# Altium PCB CM3_IO_V1.3_20220317.PcbDoc (part 1 of 7) (continued)
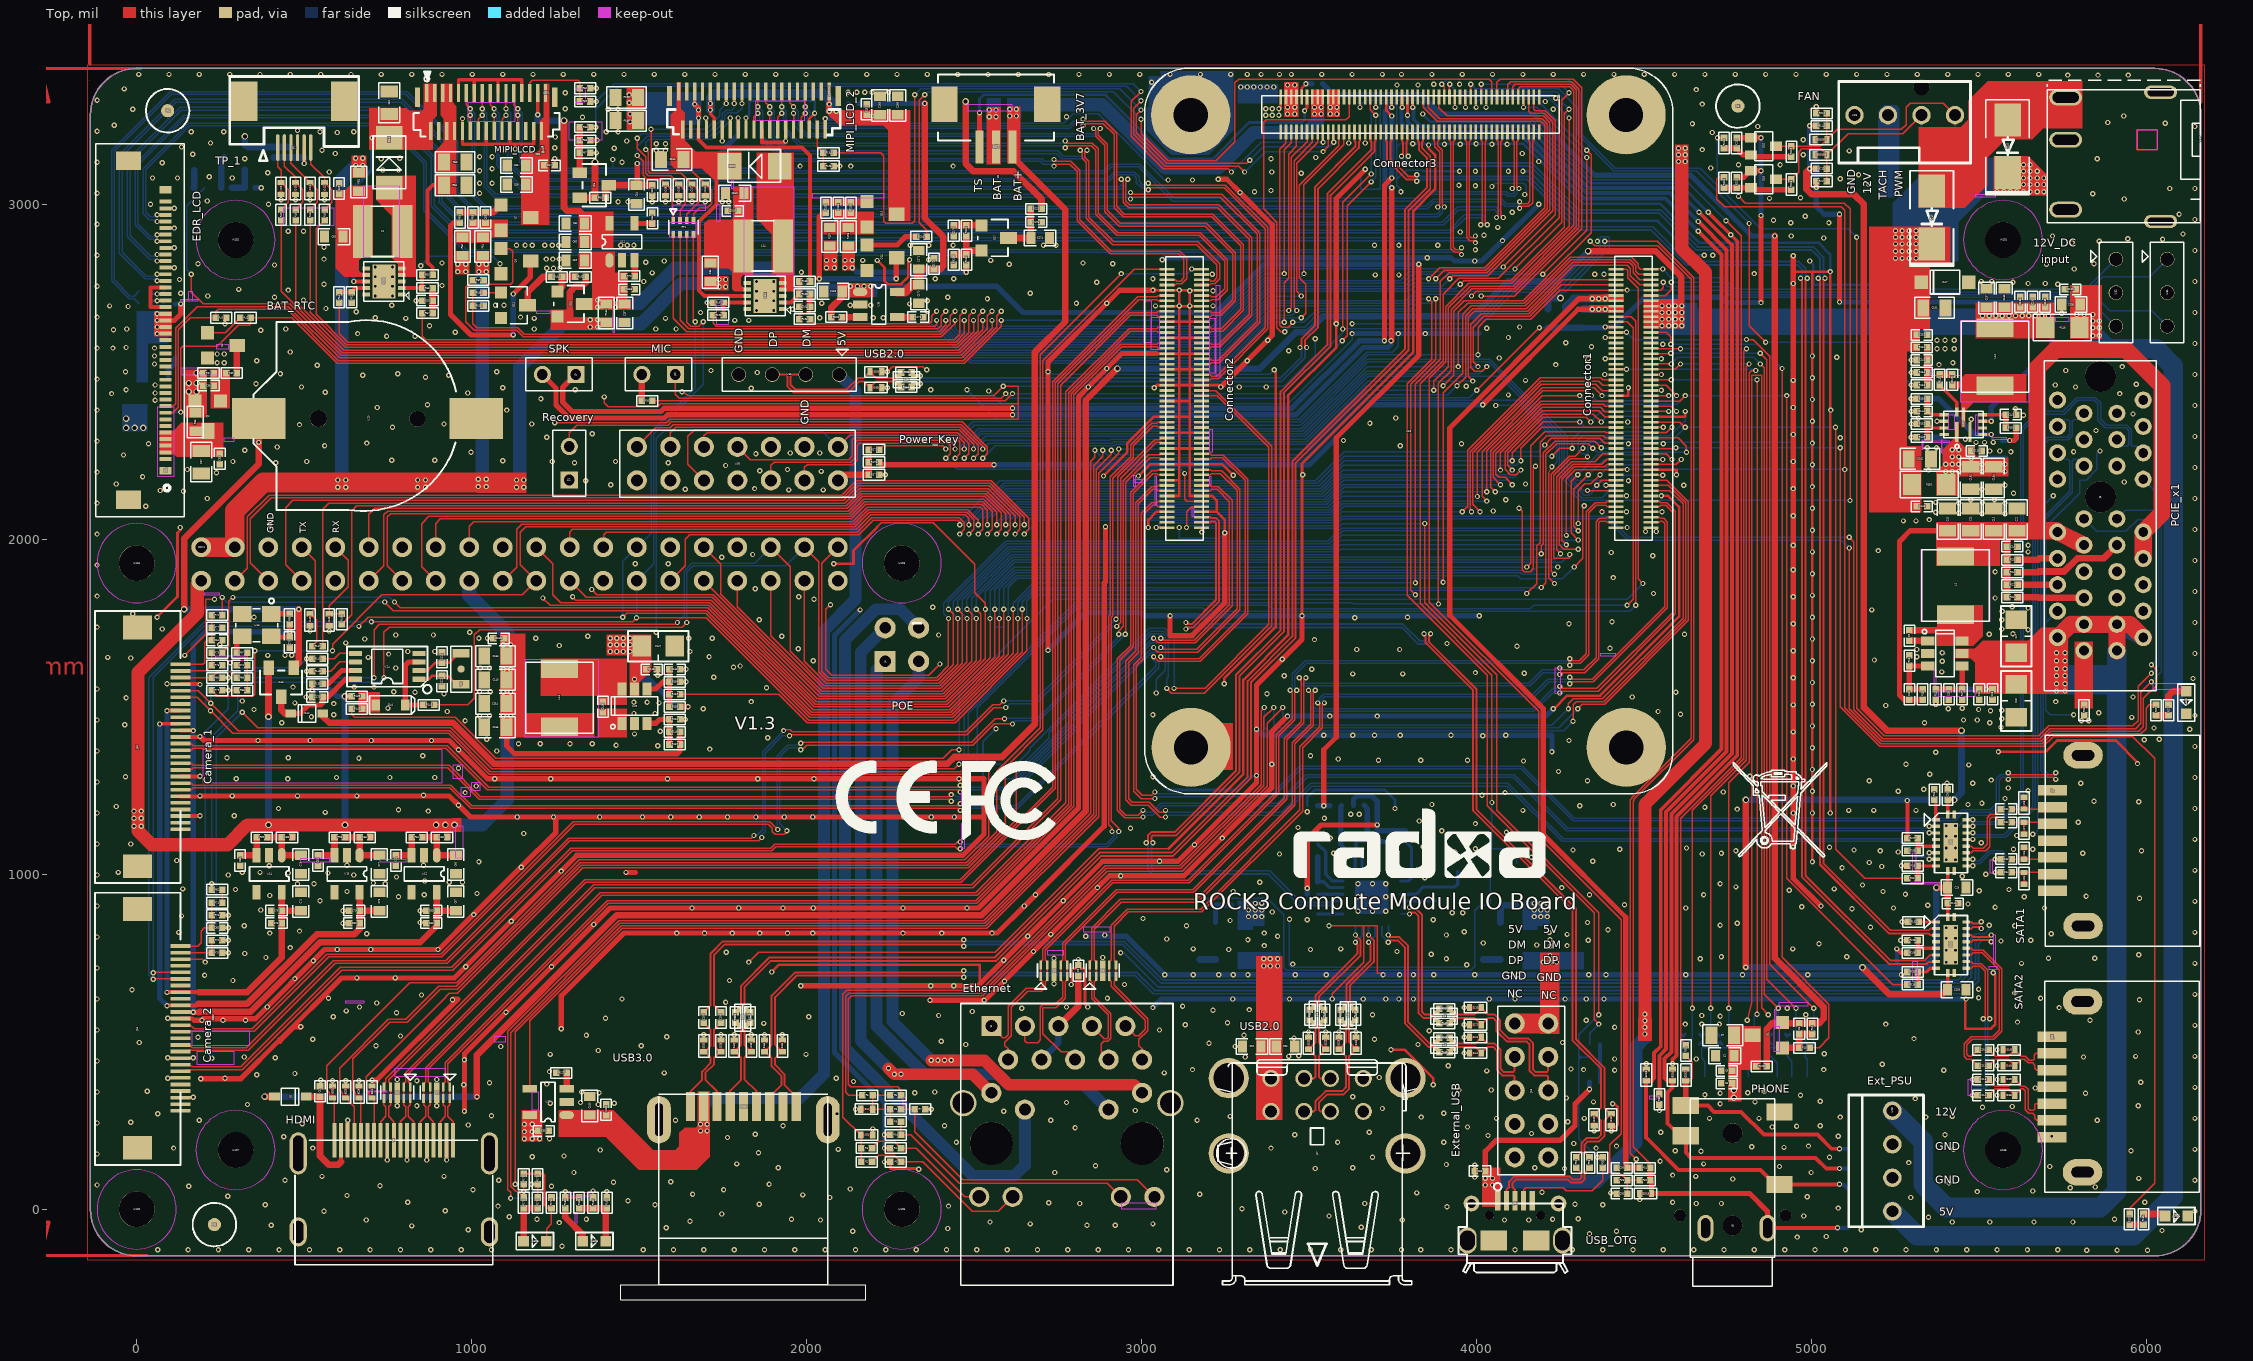
[diagram p0: Top view]
## Components (designator, comment, footprint, x,y, rotation, side; value= is the part's Value field where it differs from the comment)
BAT1 "SMD-3P-1.25" SMD-3P-1.25 2564.96,3171.26 r180 top
C1 "C0402" C0402 547.24,352.36 r90 top
C3 "C0402" C0402 2811.02,712.6 r270 top
C4 "C0603" C0603 4740.16,458.66 r180 top
C5 "C0402" C0402 4746.06,375.98 r180 top
C6 "C0402" C0402 4962.6,539.37 r270 top
C7 "C0805" C0805 4734.25,519.68 r180 top
C8 "C0402" C0402 4746.06,413.39 r180 top
C9 "C0402" C0402 5291.34,1712.6 r90 top
C10 "C1206" C1206 5610.24,1517.72 r270 top
C11 "C0402" C0402 5500,1537.4 r270 top
C12 "C0402" C0402 5291.34,1537.4 r90 top
C13 "C0805" C0805 5543.31,2059.06 r90 top
C14 "C0402" C0402 5598.43,1978.35 r0 top
C19 "C0402" C0402 5409.45,1537.4 r270 top
C20 "C0805" C0805 5405.51,2059.06 r90 top
C21 "C0805" C0805 5474.41,2059.06 r90 top
C22 "C0805" C0805 5612.2,2059.06 r90 top
C27 "C1206" C1206 5610.24,1710.63 r90 top
C28 "C0402" C0402 5539.37,1537.4 r270 top
C29 "C0603" C0603 5433.07,960.63 r0 top
C30 "C0402" C0402 5405.51,1238.19 r90 top
C31 "C0402" C0402 5580.71,1194.88 r0 top
C32 "C0402" C0402 5580.71,1155.51 r0 top
C33 "C0402" C0402 5580.71,1045.28 r0 top
C34 "C0402" C0402 5580.71,1005.91 r0 top
C35 "C0402" C0402 4433.07,47.24 r180 top
C36 "C0402" C0402 4433.07,124.02 r180 top
C37 "C0805" C0805 192.91,2230.31 r270 top
C38 "C0402" C0402 214.57,2458.66 r0 top
C39 "C0402" C0402 248.03,2240.16 r270 top
C40 "C0603" C0603 -11.81,2602.36 r180 bottom
C41 "C0603" C0603 -11.81,2655.51 r180 bottom
C42 "C0402" C0402 98.43,2665.35 r0 bottom
C43 "C0402" C0402 23.62,2742.13 r0 bottom
C44 "C0402" C0402 23.62,2702.76 r180 bottom
C45 "C0402" C0402 -31.5,2407.48 r90 bottom
C46 "C0603" C0603 -11.81,2547.24 r180 bottom
C47 "C0402" C0402 98.43,2625.98 r0 bottom
C48 "C0402" C0402 500,3155.51 r90 bottom
C49 "C0402" C0402 604.33,3047.24 r90 top
C50 "C0603" C0603 588.58,2903.54 r180 top
C51 "C0805" C0805 753.94,3303.15 r90 top
C52 "C0402" C0402 1539.37,3041.34 r270 top
C53 "C0402" C0402 868.11,2712.6 r0 top
C54 "C0603" C0603 1492.13,3029.53 r270 top
C55 "C0402" C0402 1041.34,2960.63 r90 top
C56 "C0603" C0603 1133.86,3116.14 r180 top
C57 "C0402" C0402 1232.28,3116.14 r0 top
C58 "C0603" C0603 1133.86,3059.06 r180 top
C59 "C0603" C0603 1309.06,2832.68 r180 top
C60 "C0603" C0603 1309.06,2887.8 r180 top
C61 "C0603" C0603 1309.06,2942.91 r180 top
C62 "C0402" C0402 1196.85,3234.25 r270 bottom
C63 "C0402" C0402 1539.37,2958.66 r90 top
C64 "C0402" C0402 240.16,1698.82 r0 top
C65 "C0402" C0402 240.16,840.55 r0 top
C66 "C0603" C0603 952.76,1029.53 r270 top
C67 "C0603" C0603 952.76,919.29 r90 top
C68 "C0402" C0402 879.92,854.33 r180 top
C69 "C0402" C0402 879.92,891.73 r180 top
C70 "C0402" C0402 456.69,1692.91 r270 top
C71 "C0402" C0402 773.62,1041.34 r270 top
C72 "C0402" C0402 314.96,1624.02 r180 top
C73 "C0603" C0603 490.16,1029.53 r270 top
C74 "C0603" C0603 490.16,919.29 r90 top
C75 "C0402" C0402 417.32,854.33 r180 top
C76 "C0402" C0402 417.32,891.73 r180 top
C77 "C0603" C0603 724.41,1029.53 r270 top
C78 "C0603" C0603 724.41,919.29 r90 top
C79 "C0402" C0402 649.61,891.73 r180 top
C80 "C0402" C0402 649.61,854.33 r180 top
C81 "C0402" C0402 309.06,1041.34 r270 top
C82 "C0402" C0402 541.34,1041.34 r270 top
C83 "C0603" C0603 3639.76,1129.92 r270 bottom
C84 "C0402" C0402 3578.74,1165.35 r180 bottom
C85 "C0402" C0402 3509.84,1204.72 r180 bottom
C86 "C0402" C0402 4009.84,114.17 r180 top
C87 "C0402" C0402 3578.74,1090.55 r180 bottom
C88 "C0402" C0402 3578.74,1127.95 r180 bottom
C89 "C0402" C0402 3509.84,1015.75 r180 bottom
C91 "C0402" C0402 3348.43,840.55 r270 bottom
C92 "C0603" C0603 3328.74,486.22 r180 top
C93 "C0603" C0603 3429.13,486.22 r0 top
C94 "C0402" C0402 3348.43,771.65 r90 bottom
C95 "C0402" C0402 4198.82,840.55 r270 bottom
C96 "C0603" C0603 4299.21,781.5 r90 bottom
C97 "C0603" C0603 4244.09,781.5 r90 bottom
C98 "C0402" C0402 4198.82,771.65 r90 bottom
C99 "C0402" C0402 1214.57,234.25 r0 top
C100 "C0603" C0603 1352.36,309.06 r90 top
C101 "C0402" C0402 1401.57,297.24 r90 top
C106 "C0402" C0402 1744.09,572.83 r270 top
C107 "C0402" C0402 1692.91,572.83 r270 top
C109 "C0603" C0603 5433.07,655.51 r0 top
C110 "C0402" C0402 5511.81,476.38 r0 top
C111 "C0402" C0402 5421.26,913.39 r0 top
C112 "C0402" C0402 5511.81,429.13 r0 top
C113 "C0402" C0402 5511.81,387.8 r0 top
C114 "C0402" C0402 5511.81,340.55 r0 top
C123 "C0402" C0402 911.42,1576.77 r270 top
C124 "C0402" C0402 911.42,1647.64 r90 top
C125 "C0402" C0402 539.37,1529.53 r180 top
C126 "C0402" C0402 5192.91,3039.37 r180 bottom
C127 "C0603" C0603 5198.82,3088.58 r180 bottom
C129 "C0402" C0402 5419.29,2476.38 r270 top
C130 "C0603" C0603 5773.62,2700.79 r180 top
C131 "C0402" C0402 5771.65,2746.06 r180 top
C132 "C0805" C0805 5474.41,2183.07 r270 top
C133 "C0402" C0402 5492.13,2263.78 r0 top
C134 "C0805" C0805 5543.31,2183.07 r270 top
C135 "C0402" C0402 5659.45,2708.66 r90 top
C136 "C0603" C0603 5574.8,2720.47 r90 top
C137 "C0603" C0603 5521.65,2720.47 r90 top
C138 "C0402" C0402 5622.05,2708.66 r90 top
C139 "C0402" C0402 5696.85,2708.66 r90 top
C140 "C0402" C0402 5328.74,2098.43 r0 top
C141 "C0402" C0402 5328.74,2535.43 r180 top
C142 "C0805" C0805 5322.83,2240.16 r0 top
C143 "C0402" C0402 5594.49,2372.05 r0 top
C144 "C0402" C0402 5328.74,2381.89 r180 top
C145 "C0402" C0402 1391.73,1500 r90 top
C146 "C0402" C0402 1537.4,1612.2 r0 top
C147 "C1206" C1206 1557.09,1681.1 r0 top
C148 "C0402" C0402 1606.3,1425.2 r180 top
C149 "C0805" C0805 1070.87,1580.71 r180 top
C150 "C0402" C0402 1080.71,1704.72 r180 top
C151 "C0805" C0805 5366.14,2690.94 r180 top
C152 "C0402" C0402 5328.74,2610.24 r0 top
C153 "C0402" C0402 1606.3,1612.2 r0 top
C154 "C0805" C0805 1070.87,1509.84 r180 top
C155 "C0805" C0805 1070.87,1438.98 r180 top
C156 "C0805" C0805 1070.87,1651.57 r180 top
C157 "C0603" C0603 1456.69,2675.2 r270 top
C158 "C0402" C0402 1470.47,2746.06 r0 top
C159 "C0402" C0402 1779.53,2980.31 r180 top
C160 "C0603" C0603 1785.43,3033.46 r180 top
C161 "C0805" C0805 1598.43,3133.86 r180 top
C164 "C0402" C0402 1994.09,2694.88 r0 top
C165 "C0402" C0402 2094.49,2990.16 r90 top
C166 "C0603" C0603 2271.65,3295.28 r90 top
C167 "C0402" C0402 2179.13,3283.46 r90 top
C168 "C0603" C0603 2218.5,3295.28 r90 top
C169 "C0603" C0603 2078.74,2740.16 r180 top
C170 "C0603" C0603 2334.65,2732.28 r270 top
C171 "C0603" C0603 2334.65,2834.65 r90 top
C172 "C0402" C0402 2379.92,2822.83 r90 top
C173 "C0402" C0402 2332.68,2663.39 r0 top
C174 "C0603" C0603 2696.85,2899.61 r0 top
C175 "C0402" C0402 2685.04,2946.85 r0 top
C176 "C0402" C0402 2438.98,2921.26 r270 top
CN14A1 "TF-CKT01-009D" TF-CKT01-009D 4763.78,-18.11 r270 bottom
CON1 "DIP40PIN_2D54MM" DIP40PIN_2D54MM 192.91,1976.38 r0 top
D1 "SOD_323" SOD_323 458.66,336.61 r0 top
D3 "ESD0402_1XD5" ESD0402_1XD5 2179.13,222.44 r180 top
D4 "ESD0402_1XD5" ESD0402_1XD5 2179.13,299.21 r0 top
D5 "ESD0402_1XD5" ESD0402_1XD5 5633.86,988.19 r90 top
D6 "ESD0402_1XD5" ESD0402_1XD5 5633.86,1062.99 r270 top
D7 "ESD0402_1XD5" ESD0402_1XD5 5633.86,1137.8 r90 top
D8 "ESD0402_1XD5" ESD0402_1XD5 5633.86,1212.6 r270 top
D9 "ESD0402_1XD5" ESD0402_1XD5 431.1,3047.24 r90 top
D10 "ESD0402_1XD5" ESD0402_1XD5 474.41,3047.24 r90 top
D11 "ESD0402_1XD5" ESD0402_1XD5 517.72,3047.24 r90 top
D12 "ESD0402_1XD5" ESD0402_1XD5 561.02,3047.24 r90 top
D13 "DO214AC" DO214AC 753.94,3190.94 r270 top
D14 "ESD0402_1XD5" ESD0402_1XD5 1696.85,3043.31 r270 top
D15 "ESD0402_1XD5" ESD0402_1XD5 1618.11,3043.31 r270 top
D16 "ESD0402_1XD5" ESD0402_1XD5 1578.74,3043.31 r270 top
D17 "ESD0402_1XD5" ESD0402_1XD5 1657.48,3043.31 r270 top
D18 "ESD0402_1XD5" ESD0402_1XD5 4401.57,267.72 r90 top
D19 "ESD0402_1XD5" ESD0402_1XD5 4350.39,267.72 r90 top
D20 "ESD0402_1XD5" ESD0402_1XD5 3498.03,496.06 r270 top
D21 "ESD0402_1XD5" ESD0402_1XD5 3549.21,496.06 r270 top
D22 "ESD0402_1XD5" ESD0402_1XD5 3639.76,496.06 r270 top
D23 "ESD0402_1XD5" ESD0402_1XD5 3588.58,496.06 r270 top
D24 "ESD0402_1XD5" ESD0402_1XD5 3996.06,466.54 r0 top
D25 "ESD0402_1XD5" ESD0402_1XD5 3996.06,513.78 r0 top
D26 "ESD0402_1XD5" ESD0402_1XD5 3996.06,602.36 r0 top
D27 "ESD0402_1XD5" ESD0402_1XD5 3996.06,551.18 r0 top
D30 "ESD0402_1XD5" ESD0402_1XD5 2206.69,2452.76 r180 top
D31 "ESD0402_1XD5" ESD0402_1XD5 2206.69,2500 r180 top
D32 "ESD0402_1XD5" ESD0402_1XD5 1692.91,488.19 r270 top
D33 "ESD0402_1XD5" ESD0402_1XD5 1744.09,488.19 r270 top
D34 "ESD0402_1XD5" ESD0402_1XD5 1874.02,488.19 r270 top
D35 "ESD0402_1XD5" ESD0402_1XD5 1927.17,488.19 r270 top
D36 "ESD0402_1XD5" ESD0402_1XD5 1834.65,488.19 r270 top
D37 "ESD0402_1XD5" ESD0402_1XD5 1783.46,488.19 r270 top
D38 "ESD0402_1XD5" ESD0402_1XD5 5588.58,340.55 r0 top
D39 "ESD0402_1XD5" ESD0402_1XD5 5588.58,387.8 r0 top
D40 "ESD0402_1XD5" ESD0402_1XD5 5588.58,429.13 r0 top
D41 "ESD0402_1XD5" ESD0402_1XD5 5588.58,476.38 r0 top
D42 "SOD_323" SOD_323 507.87,1480.31 r180 top
D43 "SOT_23" SOT_23 431.1,1572.83 r180 top
D44 "SOD323" SOD323 757.87,1505.91 r0 top
D45 "DO_214AC" DO_214AC 5584.65,3173.23 r270 top
D46 "DO_214AC" DO_214AC 5358.27,2960.63 r270 top
D47 "SOD_123" SOD_123 5397.64,2767.72 r180 top
D48 "ESD0402_1XD5" ESD0402_1XD5 574.8,1759.84 r90 top
D49 "ESD0402_1XD5" ESD0402_1XD5 517.72,1759.84 r90 top
D50 "DO214AC" DO214AC 1777.56,3114.17 r0 top
ED1 "ESD0402_1XD5" ESD0402_1XD5 584.65,350.39 r90 top
ED2 "ESD0402_1XD5" ESD0402_1XD5 624.02,350.39 r90 top
ED3 "ESD0402_1XD5" ESD0402_1XD5 663.39,350.39 r90 top
ED4 "ESD0402_1XD5" ESD0402_1XD5 702.76,350.39 r90 top
ED9 "E0402N" E0402N 4980.31,507.87 r90 bottom
ED10 "E0402N" E0402N 4927.17,507.87 r90 bottom
ED11 "E0402N" E0402N 4874.02,507.87 r90 bottom
ED12 "E0402N" E0402N 4781.5,507.87 r90 bottom
ED13 "E0402N" E0402N 4726.38,507.87 r90 bottom
ED14 "E0402N" E0402N 4671.26,507.87 r90 bottom
ED15 "E0402N" E0402N 4616.14,507.87 r90 bottom
ED16 "ESD0402_1XD5" ESD0402_1XD5 4584.65,401.57 r90 top
ED17 "ESD0402_1XD5" ESD0402_1XD5 4624.02,401.57 r90 top
ED18 "ESD0402_1XD5" ESD0402_1XD5 4505.91,401.57 r90 top
ED19 "ESD0402_1XD5" ESD0402_1XD5 4503.94,47.24 r180 top
ED8197 "ESD0402_1XD5" ESD0402_1XD5 5027.56,3192.91 r0 top
ED8198 "ESD0402_1XD5" ESD0402_1XD5 5027.56,3147.64 r0 top
FB1 "R0603" R0603 663.39,3066.93 r270 top
FB2 "R0402" R0402 911.42,1110.24 r180 top
FB3 "R0402" R0402 448.82,1110.24 r180 top
FB4 "R0402" R0402 681.1,1110.24 r180 top
FB5 "R0603" R0603 1712.6,2797.24 r90 top
H100 "HOLE_R6_2D7MM" HOLE_R6_2D7MM 0,0 r0 top
H101 "HOLE_R6_2D7MM" HOLE_R6_2D7MM 5570.87,2893.7 r0 top
H102 "HOLE_R6_2D7MM" HOLE_R6_2D7MM 295.28,2893.7 r0 top
H103 "HOLE_R6_2D7MM" HOLE_R6_2D7MM 2283.46,1929.13 r0 top
H104 "HOLE_R6_2D7MM" HOLE_R6_2D7MM 0,1929.13 r0 top
H105 "HOLE_R6_2D7MM" HOLE_R6_2D7MM 5570.87,177.17 r0 top
H106 "HOLE_R6_2D7MM" HOLE_R6_2D7MM 2283.46,0 r0 top
H107 "HOLE_R6_2D7MM" HOLE_R6_2D7MM 295.28,177.17 r0 top
J1 "HDMIA19S" HDMIA19S 767.72,206.69 r180 top
J3 "RJ45_HRK1" RJ45_HRK1 2551.18,547.24 r0 top
J4 "DIP4PIN-2_54MM-2X2" DIP4PIN-2_54MM-2X2 2234.25,1635.83 r90 top
J6 "PCIEX1_36PIN_DIP" PCIEX1_36PIN_DIP 5861.42,2126.38 r90 top
J7 "SMD_SATA_7P_50_180" SMD_SATA_7P_50_180 5719.29,1250.79 r270 top
J8 "PJ-327A" PJ-327A 4763.78,-48.03 r90 top
J9 "DIP2PIN-2P54MM" DIP2PIN-2P54MM 1311.02,2492.13 r270 top
J10 "DIP2PIN-2P54MM" DIP2PIN-2P54MM 1608.27,2492.13 r270 top
J11 "20455-040E-TOP" 20455-040E-TOP 86.61,2204.72 r270 top
J12 "FPC6-0.5MM-2660H" FPC6-0.5MM-2660H 470.47,3169.29 r180 top
J14 "FPC-26P-0D5MM" FPC-26P-0D5MM 1.97,1379.92 r270 top
J15 "FPC-26P-0D5MM" FPC-26P-0D5MM 1.97,539.37 r270 top
J16 "MICRO_USB_NJ2" MICRO_USB_NJ2 4114.17,17.72 r0 top
J17 "USB-AF-DUAL" USB-AF-DUAL 3523.62,167.32 r90 top
J18 "DIP_10PIN-2_54MM" DIP_10PIN-2_54MM 4163.39,354.33 r270 top
J20 "SMD_SATA_7P_50_180" SMD_SATA_7P_50_180 5717.72,515.75 r270 top
J22 "DIP2PIN-2P54MM" DIP2PIN-2P54MM 1291.34,2177.17 r180 top
J24 "DF40C_100DS" DF40C_100DS 4245.47,3323.62 r270 top
L1 "IND-5020" IND-5020 5429.13,1862.2 r90 top
L2 "IND-4X4" IND-4X4 734.25,2919.29 r0 top
L3 "R0402" R0402 3647.64,1206.69 r180 bottom
L4 "L0402" L0402 3578.74,1204.72 r0 bottom
L5 "RP2_0405" RP2_0405 3523.62,580.71 r90 top
L6 "RP2_0405" RP2_0405 3616.14,578.74 r90 top
L7 "RP2_0405" RP2_0405 3903.54,490.16 r180 top
L8 "RP2_0405" RP2_0405 3903.54,576.77 r180 top
L10 "RP2_0405" RP2_0405 2297.24,2476.38 r0 top
L11 "RP2_0405" RP2_0405 1809.06,572.83 r270 top
L12 "IND-5020" IND-5020 5547.24,2545.28 r90 top
L13 "IND-5020" IND-5020 1261.81,1527.56 r270 top
L14 "IND-4X4" IND-4X4 1870.08,2875.98 r0 top
LCD1 "FH35C_31P_0_6SHW" FH35C_31P_0_6SHW 1220.47,3332.68 r180 top
LED1 "LED0603" LED0603 6117.72,1512.99 r270 top
LED2 "LED0603" LED0603 6088.58,-19.69 r0 top
LED3 "LED0603" LED0603 1188.98,-94.49 r0 top
LED4 "LED0603" LED0603 1366.14,-94.49 r0 top
M1 "MARK-1" MARK-1 4779.53,3291.34 r180 bottom
M2 "MARK-1" MARK-1 232.28,-45.28 r180 bottom
M3 "MARK-1" MARK-1 232.28,-45.28 r0 top
M4 "MARK-1" MARK-1 92.52,3279.53 r0 top
M5 "MARK-1" MARK-1 4779.53,3293.31 r0 top
P1 "TP_0R70" TP_0R70 2618.11,3303.15 r180 bottom
P2 "TP_0R70" TP_0R70 2515.75,3301.18 r180 bottom
P3 "TP_0R70" TP_0R70 2564.96,3301.18 r180 bottom
P4 "TP_0R70" TP_0R70 5568.9,2295.28 r180 bottom
P5 "TP_0R70" TP_0R70 5338.58,2893.7 r180 bottom
P6 "TP_0R70" TP_0R70 5397.64,2580.71 r180 bottom
Q1 "SOT23" SOT23 4868.11,519.68 r90 top
Q2 "SOT23" SOT23 212.6,2368.11 r180 top
Q3 "SOT23" SOT23 255.91,2578.74 r270 top
Q4 "SOT_23" SOT_23 366.14,3139.76 r90 bottom
Q5 "SOT23" SOT23 216.54,3139.76 r90 bottom
Q6 "SOT_23" SOT_23 1366.14,3057.09 r270 top
Q7 "SOT23" SOT23 1131.89,2960.63 r270 top
Q8 "SOT23" SOT23 1131.89,2830.71 r270 top
Q9 "S0T-23" S0T-23 4080.71,994.09 r270 bottom
Q10 "S0T-23" S0T-23 1295.28,2702.76 r270 top
Q11 "S0T-23" S0T-23 1125.98,2698.82 r270 top
Q13 "SOT23" SOT23 2224.41,2970.47 r270 top
Q14 "SOT23" SOT23 2224.41,2840.55 r270 top
Q15 "SOT_323" SOT_323 4856.3,3173.23 r270 top
Q16 "SOT_323" SOT_323 4856.3,3074.8 r270 top
Q17 "S0T-23" S0T-23 2561.02,2899.61 r270 top
R1 "R0402" R0402 2265.75,141.73 r0 top
R2 "R0402" R0402 2179.13,141.73 r180 top
R3 "R0402" R0402 2179.13,183.07 r0 top
R4 "R0402" R0402 2265.75,183.07 r180 top
R5 "R0402" R0402 2265.75,340.55 r180 top
R6 "R0402" R0402 2181.1,340.55 r0 top
R7 "R0402" R0402 2338.58,299.21 r180 top
R8 "R0402" R0402 2265.75,299.21 r180 top
R9 "R0402" R0402 2265.75,261.81 r0 top
R10 "R0402" R0402 2265.75,222.44 r180 top
R11 "R0402" R0402 4828.74,498.03 r270 bottom
R12 "R0402" R0402 5001.97,539.37 r270 top
R13 "R0402" R0402 4978.35,482.28 r0 top
R14 "R0402" R0402 5370.08,1537.4 r90 top
R15 "R0402" R0402 5330.71,1537.4 r90 top
R17 "R0402" R0402 5448.82,1537.4 r270 top
R18 "R0402" R0402 5291.34,1637.8 r90 top
R20 "R0402" R0402 5812.99,1490.16 r270 top
R21 "R0402" R0402 5598.43,1826.77 r180 top
R22 "R0402" R0402 5598.43,1864.17 r180 top
R23 "R0402" R0402 5598.43,1938.98 r180 top
R24 "R0402" R0402 5598.43,1901.57 r0 top
R25 "R0402" R0402 5366.14,1238.19 r270 top
R26 "R0402" R0402 5301.18,1025.59 r180 top
R27 "R0402" R0402 6064.96,1490.16 r90 top
R28 "R0402" R0402 5301.18,988.19 r180 top
R29 "R0402" R0402 6027.56,1490.16 r90 top
R30 "R0402" R0402 4545.28,328.74 r90 top
R31 "R0402" R0402 4624.02,474.41 r90 top
R32 "R0402" R0402 4501.97,86.61 r0 top
R33 "R0402" R0402 4433.07,86.61 r0 top
R34 "R0402" R0402 4501.97,124.02 r180 top
R35 "R0402" R0402 1523.62,2413.39 r0 top
R36 "R0603" R0603 175.2,2350.39 r270 top
R37 "R0402" R0402 214.57,2496.06 r0 top
R38 "R0402" R0402 98.43,2742.13 r180 bottom
R39 "R0402" R0402 283.46,2496.06 r0 top
R40 "R0402" R0402 98.43,2702.76 r0 bottom
R41 "R0402" R0402 324.8,2661.42 r180 top
R42 "R0402" R0402 98.43,2541.34 r180 bottom
R43 "R0402" R0402 251.97,2661.42 r0 top
R44 "R0402" R0402 460.63,3155.51 r270 bottom
R45 "R0402" R0402 561.02,2968.5 r90 top
R46 "R0402" R0402 517.72,2968.5 r90 top
R47 "R0402" R0402 338.58,3049.21 r0 bottom
R48 "R0402" R0402 474.41,2968.5 r90 top
R49 "R0402" R0402 431.1,2968.5 r90 top
R50 "R0402" R0402 267.72,3049.21 r0 bottom
R51 "R0402" R0402 187.01,3049.21 r0 bottom
R52 "R0402" R0402 641.73,2722.44 r90 top
R53 "R0402" R0402 868.11,2789.37 r0 top
R54 "R0402" R0402 604.33,2722.44 r90 top
R55 "R0805" R0805 950.79,3057.09 r0 top
R56 "R0805" R0805 950.79,3125.98 r0 top
R57 "R0402" R0402 868.11,2675.2 r0 top
R58 "R0402" R0402 868.11,2750 r180 top
R59 "R0402" R0402 1338.58,3307.09 r180 top
R60 "R0402" R0402 1338.58,3346.46 r0 top
R61 "R0402" R0402 1383.86,3019.68 r0 top
R62 "R0603" R0603 972.44,2874.02 r90 top
R63 "R0402" R0402 1338.58,3190.94 r0 top
R64 "R0603" R0603 1033.46,2874.02 r90 top
R65 "R0402" R0402 1003.94,2960.63 r90 top
R66 "R0402" R0402 1338.58,3230.31 r180 top
R67 "R0402" R0402 1338.58,3153.54 r180 top
R68 "R0402" R0402 964.57,2960.63 r270 top
R69 "R0402" R0402 1019.69,2773.62 r0 top
R70 "R0402" R0402 1470.47,2785.43 r0 top
R71 "R0402" R0402 240.16,803.15 r0 top
R72 "R0402" R0402 240.16,1773.62 r0 top
R73 "R0402" R0402 240.16,1661.42 r0 top
R74 "R0402" R0402 240.16,915.35 r0 top
R75 "R0402" R0402 240.16,765.75 r180 top
R76 "R0402" R0402 240.16,1624.02 r180 top
R77 "R0402" R0402 240.16,1736.22 r180 top
R78 "R0402" R0402 240.16,877.95 r180 top
R79 "R0402" R0402 240.16,1549.21 r180 top
R80 "R0402" R0402 240.16,1586.61 r0 top
R82 "R0402" R0402 240.16,954.72 r180 top
R84 "R0402" R0402 836.61,1110.24 r0 top
R85 "R0402" R0402 456.69,1761.81 r270 top
R86 "R0402" R0402 314.96,1549.21 r180 top
R87 "R0402" R0402 314.96,1661.42 r0 top
R88 "R0402" R0402 314.96,1586.61 r180 top
R89 "R0402" R0402 374.02,1110.24 r0 top
R90 "R0402" R0402 606.3,1110.24 r0 top
R91 "R0402" R0402 3702.76,1114.17 r270 bottom
R92 "R0402" R0402 4297.24,139.76 r90 top
R93 "R0402" R0402 4336.61,139.76 r90 top
R94 "R0402" R0402 3509.84,978.35 r0 bottom
R95 "R0402" R0402 4375.98,139.76 r90 top
R96 "R0402" R0402 3787.4,1114.17 r270 bottom
R97 "R0402" R0402 3509.84,1053.15 r0 bottom
R98 "R0402" R0402 4352.36,492.13 r180 bottom
R99 "R0402" R0402 4352.36,454.72 r180 bottom
R100 "R0402" R0402 4352.36,379.92 r180 bottom
R101 "R0402" R0402 4352.36,417.32 r180 bottom
R102 "R0402" R0402 3509.84,881.89 r180 bottom
R105 "R0402" R0402 3509.84,1090.55 r0 bottom
R106 "R0402" R0402 3509.84,940.94 r0 bottom
R107 "R0402" R0402 4102.36,1076.77 r180 bottom
R108 "R0402" R0402 4029.53,1076.77 r180 bottom
R109 "R0402" R0402 3545.28,580.71 r270 top
R110 "R0402" R0402 3637.8,580.71 r270 top
R111 "R0402" R0402 3501.97,580.71 r270 top
R112 "R0402" R0402 3594.49,580.71 r270 top
R113 "R0402" R0402 3283.46,907.48 r180 bottom
R114 "R0402" R0402 3204.72,907.48 r180 bottom
R115 "R0402" R0402 3173.23,761.81 r90 bottom
R116 "R0402" R0402 3903.54,511.81 r0 top
R117 "R0402" R0402 3903.54,598.43 r0 top
R118 "R0402" R0402 4133.86,907.48 r180 bottom
R119 "R0402" R0402 4019.69,761.81 r90 bottom
R120 "R0402" R0402 4055.12,907.48 r180 bottom
R121 "R0402" R0402 3903.54,468.5 r0 top
R122 "R0402" R0402 3903.54,555.12 r0 top
R124 "R0402" R0402 2297.24,2454.72 r180 top
R126 "R0402" R0402 2297.24,2498.03 r180 top
R127 "R0402" R0402 1267.72,407.48 r180 top
R128 "R0402" R0402 1787.4,572.83 r90 top
R129 "R0402" R0402 1830.71,572.83 r90 top
R131 "R0402" R0402 5990.16,-29.53 r90 top
R132 "R0402" R0402 5303.15,858.27 r0 top
R133 "R0402" R0402 5301.18,708.66 r180 top
R135 "R0402" R0402 5301.18,671.26 r180 top
R137 "R0402" R0402 5948.82,-29.53 r90 top
R138 "R0402" R0402 539.37,1568.9 r180 top
R139 "R0402" R0402 657.48,1531.5 r0 top
R140 "R0402" R0402 539.37,1606.3 r0 top
R141 "R0402" R0402 539.37,1643.7 r0 top
R142 "R0402" R0402 657.48,1494.09 r0 top
R143 "R0402" R0402 872.05,1505.91 r180 top
R144 "R0402" R0402 5029.53,3234.25 r0 top
R147 "R0402" R0402 5381.89,2476.38 r90 top
R148 "R1206" R1206 5748.03,2631.89 r180 top
R149 "R0402" R0402 5328.74,2305.12 r180 top
R150 "R1206" R1206 5350.39,2163.39 r180 top
R151 "R0402" R0402 5328.74,2572.83 r180 top
R152 "R0402" R0402 5328.74,2344.49 r0 top
R153 "R0402" R0402 5328.74,2460.63 r0 top